# Altium PCB FPGA_POETIC.PcbDoc (part 3 of 3)
Units mm, origin at the board's own origin, x right, y up, seen from the top; angles counter-clockwise.
Board outline 160 x 100 mm, 6 copper layers (Top Layer, GND, Internal SIG1, Internal SIG2, Power, Bottom Layer), stack 0.816 mm thick; 193 components, 248 nets, 1352 pads, 523 vias.
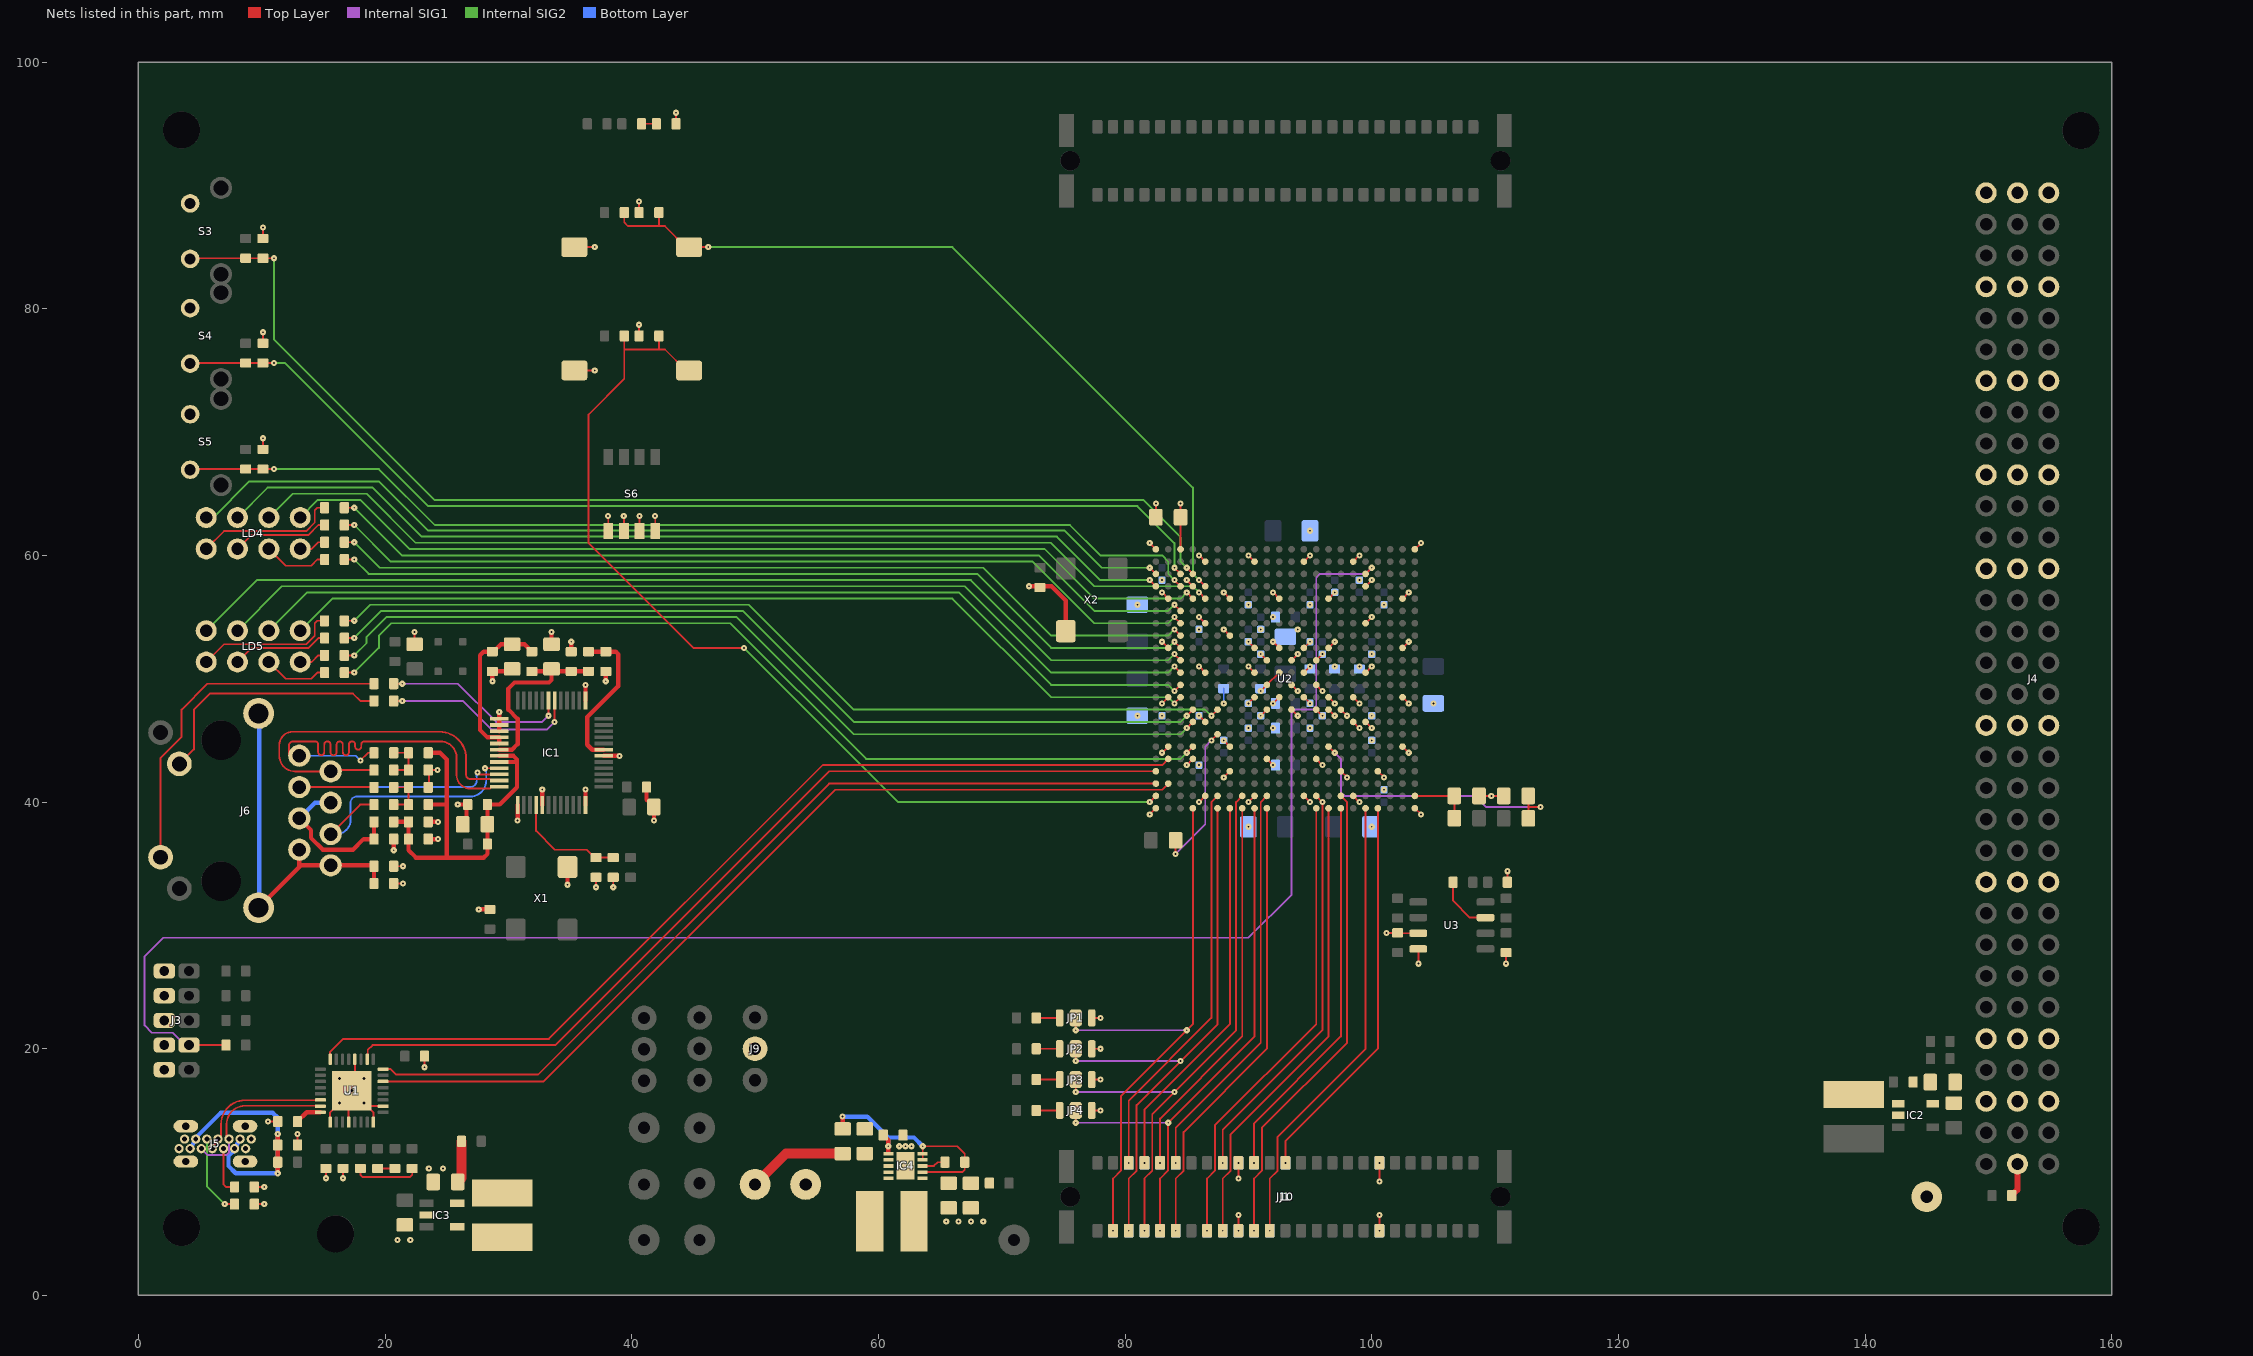
[diagram p7: the nets of this part, all layers, seen from the top]

## Via types
v1: diameter 0.5, hole 0.15, Top Layer to Bottom Layer, tented both sides, 518 vias
v2: diameter 0.6, hole 0.25, Top Layer to Bottom Layer, 5 vias

## Nets (pads, with @x,y where several pads share a name; then routed paths per layer and width w, separated by ;. In a path a pad name is that pad's centre, name@x,y a point inside that pad or via, vN(x,y) a via of type N, cw(c..) or ccw(c..) an arc to the next point about the centre after c; other vN are vias at no path point) (continued)
FPGA_JTAG_TMS: J3.3 R4.1 U2.C18 | length 140.4
  Top Layer w0.15: J3.3@4.5,20.3 R4.1@7.1,20.3 ; U2.C18@99.5,58.5 v1(100,59)
  Internal SIG1 w0.15: J3.3@4.1,20.3 3.8,20.3 2.8,21.3 1.1,21.3 0.5,21.9 0.5,27.5 2,29 90,29 93.5,32.5 93.5,47.2 93.8,47.5 95.2,47.5 95.5,47.8 95.5,58.2 95.8,58.5 99.5,58.5 v1(100,59)
GND_+24V_BP: C32.1 J4.B32 | length 2.8
  Top Layer w0.5: C32.1@151.9,8.1 152.36,8.56 J4.B32@152.36,10.66
GND_D: C1.1 C2.1 C3.1 C4.1 C5.1 C6.1 C7.1 C8.2 C9.1 C10.1 C11.1 C12.1 C13.1 C14.1 C15.1 C16.1 C17.1 C18.1 C19.1 C20.1 C21.1 C22.1 C23.1 C24.1 C25.2 C26.1 C27.1 C28.1 C29.1 C30.1 C31.1 C33.1 C34.1 C35.2 C36.2 C37.2 C38.2 C39.2 C40.2 C41.2 C42.2 C43.2 C44.2 C45.2 C46.2 C47.2 C48.2 C49.2 C50.2 C51.2 C52.2 C53.2 C54.2 C55.2 C56.2 C57.2 C58.2 C59.2 C60.2 C61.2 C62.2 C63.2 C64.2 C65.2 C66.2 C67.2 C68.2 C69.2 C70.2 C71.2 C72.2 C73.2 C74.2 C75.2 C76.2 C77.1 C78.1 C79.1 C80.1 C81.1 IC1.1 IC1.2 IC1.3 IC1.13 IC1.17 IC1.24 IC1.30 IC1.37 IC2.2 IC3.2 IC4.4 IC4.5 IC4.11 J1.a10 J1.a19 J1.b10 J1.b19 J3.2 J3.4 J3.6 J3.8 J3.10 J4.A1 J4.A4 J4.A7 J4.A10 J4.A13 J4.A18 J4.A23 J4.A28 J4.A30 J4.B1 J4.B4 J4.B7 J4.B10 J4.B13 J4.B18 J4.B23 J4.B28 J4.B30 J4.C1 J4.C4 J4.C7 J4.C10 J4.C13 J4.C18 J4.C23 J4.C28 J4.C30 J5.A1 J5.A12 J5.B1 J5.B12 J5.S1 J5.S2 J5.S3 J5.S4 J10.a10 J10.a19 J10.b10 J10.b19 JP1.1 JP2.1 JP3.1 JP4.1 R19.1 R23.2 R27.1 R28.1 R37.1 R38.1 R56.1 R58.2 R59.2 S1.1 S2.1 S3.1 S4.1 S5.1 S6.1 S6.3 S6.5 S6.7 TP9.1 TP10.1 U1.4 U1.17 U1.20 U1.24 U1.26 U1.33 U2.A1 U2.A22 U2.AA5 U2.AA9 U2.AA13 U2.AA17 U2.AB1 U2.AB22 U2.B5 U2.B9 U2.B13 U2.B17 U2.D4 U2.D18 U2.E2 U2.E7 U2.E11 U2.E15 U2.E21 U2.G5 U2.G18 U2.H7 U2.J2 U2.J9 U2.J11 U2.J13 U2.J15 U2.J21 U2.K10 U2.K12 U2.K14 U2.L5 U2.L9 U2.L11 U2.L13 U2.L18 U2.M10 U2.M12 U2.M14 U2.N2 U2.N9 U2.N11 U2.N13 U2.N15 U2.N17 U2.N21 U2.P10 U2.P12 U2.P14 U2.P15 U2.P16 U2.R5 U2.R17 U2.R18 U2.U2 U2.U7 U2.U21 U2.V4 U2.V10 U2.V14 U2.W7 U2.W16 U2.W19 U3.4 X1.2 X2.2 | length 129.1
  Top Layer w0.15: R58.2@9.4,7.4 v1(10.2,7.4) ; R59.2@9.4,8.8 v1(10.2,8.8) ; C30.1@10.1,68.6 v1(10.1,69.5) ; C29.1@10.1,77.2 v1(10.1,78.1) ; C31.1@10.1,85.7 v1(10.1,86.6) ; v1(10.5,14.1) C2.1@11.3,14.1 ; C1.1@12.9,12.2 v1(12.9,13.1) ; v1(15.2,9.5) C79.1@15.2,10.3 ; U1.17@15.55,14.05 15.55,14.85 U1.33@17.05,16.35 ; v1(16.6,9.5) C80.1@16.6,10.3 ; U1.20@17.05,14.05 U1.33@17.05,16.35 ; U1.4@17.55,19.15 17.55,16.85 v2(17.3,16.6) ; U1.24@19.05,14.05 19.05,14.85 U1.33@18.55,15.35 ; U1.26@19.85,15.35 U1.33@18.55,15.35 ; C9.1@20.72,33.4 v1(21.45,33.4) ; R23.2@20.72,34.8 v1(21.45,34.8) ; C4.1@22.4,52.8 v1(22.4,53.8) ; v1(23.2,18.5) C81.1@23.2,19.4 ; C6.1@23.5,41.2 23.55,41.2 23.57,41.22 23.57,42.57 C5.1@23.6,42.6 ; C5.1@23.52,42.6 C5.1@23.6,42.6 ; v1(24.25,42.6) C5.1@23.6,42.6 ; S1.1@35.35,75 v1(37,75) ; S2.1@35.35,85 v1(37,85) ; v1(37.1,33.1) R19.1@37.1,33.9 ; S6.1@38.095,62 v1@38.095,63.2 ; v1(38.5,33.1) C7.1@38.5,33.9 ; S6.3@39.365,62 v1@39.365,63.2 ; C33.1@40.6,77.8 v1(40.6,78.7) ; C34.1@40.6,87.8 v1(40.6,88.7) ; S6.5@40.635,62 v1@40.635,63.2 ; S6.7@41.905,62 v1@41.905,63.2 ; R37.1@43.6,95 v1(43.6,95.9) ; JP4.1@77.3,15 v1(78,15) ; JP3.1@77.3,17.5 v1(78,17.5) ; JP2.1@77.3,20 v1(78,20) ; JP1.1@77.3,22.5 v1(78,22.5) ; v1(82,39) U2.AB1@82.5,39.5 ; v1(82,61) U2.A1@82.5,60.5 ; R27.1@82.5,63.1 v1(82.5,64.2) ; v1(83,44) U2.U2@83.5,44.5 ; v1(83,48) U2.N2@83.5,48.5 ; v1(83,53) U2.J2@83.5,52.5 ; v1(83,57) U2.E2@83.5,56.5 ; v1(85,43) U2.V4@85.5,43.5 ; v1(85,58) U2.D4@85.5,57.5 ; v1(86,40) U2.AA5@86.5,40.5 ; v1(86,47) U2.R5@86.5,46.5 ; v1(86,51) U2.L5@86.5,50.5 ; v1(86,55) U2.G5@86.5,54.5 ; v1(86,60) U2.B5@86.5,59.5 ; v1(88,42) U2.W7@88.5,42.5 ; v1(88,45) U2.U7@88.5,44.5 ; v1(88,54) U2.H7@88.5,53.5 ; v1(88,57) U2.E7@88.5,56.5 ; v1(89.19,5.25) v1(89.19,6.52) ; v1(89.19,9.48) v1(89.19,10.75) ; v1(90,40) U2.AA9@90.5,40.5 ; v1(90,48) U2.N9@90.5,48.5 ; v1(90,51) U2.L9@90.5,50.5 ; v1(90,53) U2.J9@90.5,52.5 ; v1(90,60) U2.B9@90.5,59.5 ; v1(91,47) U2.P10@91.5,47.5 ; v1(91,49) U2.M10@91.5,49.5 U2.L11@92.5,50.5 ; v1(91,52) U2.K10@91.5,51.5 ; U2.V10@91.5,43.5 v1(92,43) ; v1(92,48) U2.N11@92.5,48.5 ; v1(92,57) U2.E11@92.5,56.5 ; U2.J11@92.45,52.55 v1(92,53) U2.J11@92.5,52.5 ; U2.P12@93.5,47.5 v1(94,47) ; U2.M12@93.5,49.5 v1(94,49) ; U2.K12@93.5,51.5 v1(94,52) ; U2.AA13@94.5,40.5 v1(95,40) ; U2.N13@94.5,48.5 v1(95,48) ; U2.L13@94.5,50.5 v1(95,51) ; U2.J13@94.5,52.5 v1(95,53) ; U2.B13@94.5,59.5 v1(95,60) ; U2.V14@95.5,43.5 v1(96,43) ; U2.P14@95.5,47.5 v1(96,47) ; U2.M14@95.5,49.5 v1(96,49) ; U2.K14@95.5,51.5 v1(96,52) ; U2.P15@96.5,47.5 v1(97,47) ; U2.N15@96.5,48.5 v1(97,48) ; U2.J15@96.5,52.5 v1(97,53) ; U2.E15@96.5,56.5 v1(97,57) ; U2.W16@97.5,42.5 v1(98,42) ; U2.P16@97.5,47.5 v1(98,47) ; U2.AA17@98.5,40.5 v1(99,40) ; U2.R17@98.5,46.5 v1(99,46) ; U2.N17@98.5,48.5 v1(99,48) ; U2.B17@98.5,59.5 v1(99,60) ; U2.R18@99.5,46.5 v1(100,46) ; U2.L18@99.5,50.5 v1(100,51) ; U2.G18@99.5,54.5 v1(100,55) ; U2.D18@99.5,57.5 v1(100,58) ; U2.W19@100.5,42.5 v1(101,42) ; v1(100.62,5.25) v1(100.62,6.52) ; v1(100.62,9.23) J1.b19@100.62,10.5 ; U2.U21@102.5,44.5 v1(103,44) ; U2.N21@102.5,48.5 v1(103,48) ; U2.J21@102.5,52.5 v1(103,53) ; U2.E21@102.5,56.5 v1(103,57) ; U2.AB22@103.5,39.5 v1(104,39) ; U2.A22@103.5,60.5 v1(104,61) ; U3.4@103.775,28.095 103.8,28.07 v1(103.8,26.9) ; R56.1@108.7,40.5 v1(109.7,40.5) R28.1@110.7,40.5 ; v1(110.9,26.9) R38.1@110.9,27.8 ; C78.1@111,33.5 v1(111,34.4) ; U1.33@17.05,16.35 v2(17.3,16.6) ; v2(17.3,16.6) U1.33@18.55,15.35
  Top Layer w0.35: v1(20.7,36.1) C8.2@20.7,37 ; C17.1@23.5,37 v1(24.3,37) ; C16.1@23.5,38.4 v1(24.3,38.4) ; v1(25.9,39.8) C15.1@26.7,39.8 26.6,39.7 26.6,38.2 C14.1@26.3,38.2 ; v1(27.6,31.3) C3.1@28.5,31.3 ; v1(28.7,49.8) C11.1@28.7,50.6 30.4,50.6 C10.1@30.4,50.8 ; IC1.3@29.262,45.75 IC1.2@29.262,46.25 IC1.1@29.262,46.75 v1(29.262,47.3) ; v1(30.75,38.5) IC1.13@30.75,39.762 ; IC1.17@32.75,39.762 v1(32.75,41.024) ; C18.1@33.5,52.8 v1(33.5,53.8) ; v1(34.8,33.3) X1.2@34.8,34.74 ; C19.1@35.1,52.2 v1(35.1,53) ; IC1.24@36.25,39.762 v1(36.25,41.024) ; IC1.37@36.25,48.238 v1(36.25,49.5) ; IC1.30@37.738,43.75 v1(39,43.75) ; v1(37.9,49.8) C20.1@37.9,50.6 ; C13.1@41.2,41.22 41.2,40.2 C12.1@41.8,39.6 v1(41.8,38.5) ; v1(72.2,57.5) 74.04,57.5 75.2,56.34 X2.2@75.2,53.86
  Bottom Layer w0.15: v1(88,48) C72.2@88,49.2
  other v1: 21,4.5 22.05,4.5 65.5,6 66.5,6 67.5,6 68.5,6 23.55,10.3 24.7,10.3 100.62,10.75 61.697,12.1 62.197,12.1 62.697,12.1 90,38 100,38 101,41 86,43 100,45 90,46 92,46 95,46 81,47 83,47 100,47 105,48 97,51 99,51 100,52 86,54 91,54 94,54 92,55 81,56 90,56 95,56 101,56 83,58 99,58 95,62 38.09,63.2 39.36,63.2 40.63,63.2 41.9,63.2
  other v2: 16.3,15.6 18.3,15.6 16.3,17.6 18.3,17.6
GND_ETH: C9.2 J6.7 J6.8 J6.13 J6.14 R23.1 | length 29.5
  Top Layer w0.35: J6.13@9.748,31.441 13.05,34.743 ; J6.7@13.05,36.14 13.05,34.743 ; C9.2@19.1,33.4 R23.1@19.1,34.8 19.03,34.87 J6.8@15.59,34.87 13.177,34.87 13.05,34.743
  Bottom Layer w0.35: J6.13@9.748,31.441 9.759,31.441 9.8,31.4 9.8,47.137 J6.14@9.748,47.189
HARDRESET_N: C33.2 R34.1 S1.2 U2.AA1 | length 80
  Top Layer w0.15: R34.1@39.4,77.8 39.4,76.7 ; C33.2@42.2,77.8 42.2,76.7 ; S1.2@44.65,75 44.4,75 42.7,76.7 42.2,76.7 ; v1(49.1,52.5) 45,52.5 36.5,61 36.5,71.43 39.4,74.33 39.4,76.7 ; v1(82,40) U2.AA1@82.5,40.5 ; 39.4,76.7 42.2,76.7
  Internal SIG2 w0.15: v1(49.1,52.5) 61.6,40 v1(82,40)
HSWAPEN: R27.2 U2.A3 | length 3.5
  Top Layer w0.15: U2.A3@84.5,60.5 R27.2@84.5,62.9 ; R27.2@84.5,63.1 v1(84.5,64.2)
LED1_0_GREEN: R41.1 U2.H3 | length 71.3
  Top Layer w0.15: R41.1@16.7,61.07 v1(17.5,61.07) ; v1(84,54) U2.H3@84.5,53.5
  Internal SIG2 w0.15: v1(17.5,61.07) 19.57,59 68.5,59 74,53.5 83.5,53.5 v1(84,54)
LED1_0_RED: LD4.8 U2.E4 | length 76.7
  Top Layer w0.15: v1(85,57) U2.E4@85.5,56.5
  Internal SIG2 w0.15: LD4.8@13.12,63.07 14.55,64.5 18,64.5 21.97,60.53 73.47,60.53 77.5,56.5 84.5,56.5 v1(85,57)
LED1_1_GREEN: R43.1 U2.J3 | length 71.2
  Top Layer w0.15: R43.1@16.7,59.67 v1(17.5,59.67) ; v1(84,53) U2.J3@84.5,52.5
  Internal SIG2 w0.15: v1(17.5,59.67) 18.67,58.5 68,58.5 74,52.5 83.5,52.5 v1(84,53)
LED1_1_RED: LD4.6 U2.E5 | length 80.2
  Top Layer w0.15: v1(86,57) U2.E5@86.5,56.5
  Internal SIG2 w0.15: LD4.6@10.58,63.07 12.51,65 18.5,65 22.47,61.03 73.97,61.03 77.5,57.5 85.5,57.5 v1(86,57)
LED1_2_GREEN: R45.1 U2.G3 | length 71.5
  Top Layer w0.15: R45.1@16.7,62.47 v1(17.5,62.47) ; v1(84,55) U2.G3@84.5,54.5
  Internal SIG2 w0.15: v1(17.5,62.47) 20.47,59.5 72.5,59.5 77.5,54.5 83.5,54.5 v1(84,55)
LED1_2_RED: LD4.4 U2.D1 | length 78.8
  Top Layer w0.15: v1(82,58) U2.D1@82.5,57.5
  Internal SIG2 w0.15: LD4.4@8.04,63.07 10.47,65.5 19,65.5 22.97,61.53 74.47,61.53 78,58 v1(82,58)
LED1_3_GREEN: R47.1 U2.F3 | length 71.9
  Top Layer w0.15: R47.1@16.7,63.87 v1(17.5,63.87) ; v1(84,56) U2.F3@84.5,55.5
  Internal SIG2 w0.15: v1@17.6,63.97 17.5,63.97 v1(17.5,63.87) 21.37,60 73,60 77.5,55.5 83.5,55.5 v1(84,56)
LED1_3_RED: LD4.2 U2.C1 | length 81.3
  Top Layer w0.15: v1(82,59) U2.C1@82.5,58.5
  Internal SIG2 w0.15: LD4.2@5.5,63.07 6.07,63.07 9,66 19.5,66 23.47,62.03 75.07,62.03 78.1,59 v1(82,59)
LED2_0_GREEN: R42.1 U2.R4 | length 74.6
  Top Layer w0.15: R42.1@16.7,51.9 v1(17.5,51.9) ; v1(85,46) U2.R4@85.5,46.5
  Internal SIG2 w0.15: v1@17.6,52 18.5,52.9 18.5,53.4 20.1,55 48.5,55 58,45.5 84.5,45.5 v1(85,46)
LED2_0_RED: LD5.8 U2.N3 | length 76.2
  Top Layer w0.15: v1(84,48) U2.N3@84.5,48.5
  Internal SIG2 w0.15: LD5.8@13.12,53.9 15.72,56.5 66,56.5 74,48.5 83.5,48.5 v1(84,48)
LED2_1_GREEN: R44.1 U2.U4 | length 75.9
  Top Layer w0.15: R44.1@16.7,50.5 v1(17.5,50.5) ; v1(85,44) U2.U4@85.5,44.5
  Internal SIG2 w0.15: v1@17.6,50.6 19.5,52.5 19.5,53.5 20.5,54.5 48,54.5 59,43.5 84.5,43.5 v1(85,44)
LED2_1_RED: LD5.6 U2.M3 | length 78.7
  Top Layer w0.15: v1(84,49) U2.M3@84.5,49.5
  Internal SIG2 w0.15: LD5.6@10.58,53.9 13.68,57 66.5,57 74,49.5 83.5,49.5 v1(84,49)
LED2_2_GREEN: R46.1 U2.P4 | length 73.7
  Top Layer w0.15: R46.1@16.7,53.3 v1(17.5,53.3) ; v1(85,47) U2.P4@85.5,47.5
  Internal SIG2 w0.15: v1@17.6,53.4 19.7,55.5 49,55.5 58,46.5 84.5,46.5 v1(85,47)
LED2_2_RED: LD5.4 U2.L3 | length 81.3
  Top Layer w0.15: v1(84,51) U2.L3@84.5,50.5
  Internal SIG2 w0.15: LD5.4@8.04,53.9 11.64,57.5 67,57.5 74,50.5 83.5,50.5 v1(84,51)
LED2_3_GREEN: R48.1 U2.P6 | length 75.3
  Top Layer w0.15: R48.1@16.7,54.7 v1(17.5,54.7) ; v1(87,47) U2.P6@87.5,47.5
  Internal SIG2 w0.15: v1(17.5,54.7) 17.5,54.8 17.6,54.8 18.8,56 49.5,56 58,47.5 86.5,47.5 v1(87,47)
LED2_3_RED: LD5.2 U2.K3 | length 83.8
  Top Layer w0.15: v1(84,52) U2.K3@84.5,51.5
  Internal SIG2 w0.15: LD5.2@5.5,53.9 9.6,58 67.5,58 74,51.5 83.5,51.5 v1(84,52)
NetC1_2: C1.2 J5.A4 J5.A9 J5.B4 J5.B9 R7.1 | length 23.4
  Top Layer w0.35: v1(11.3,9.9) R7.1@11.3,10.8 C1.2@11.3,12.2 v1(11.3,13.1)
  Bottom Layer w0.15: J5.B9@4.2,11.9 J5.B9@4.3,11.8 ; J5.A4@4.55,12.68 J5.A4@4.65,12.68
  Bottom Layer w0.35: J5.B9@4.2,11.9 J5.A4@4.65,12.68 ; J5.A4@4.55,12.68 6.67,14.8 10.9,14.8 11.3,14.4 v1(11.3,13.1) v1(11.3,9.9) 7.9,9.9 7.3,10.5 7.3,11.3 J5.B4@7.85,11.85 ; J5.B4@7.8,11.9 J5.A9@8.25,12.68
NetC2_2: C2.2 U1.16 | length 2.2
  Top Layer w0.35: C2.2@12.9,14.1 13.65,14.85 U1.16@14.75,14.85
NetC5_2: C5.2 R11.1 R15.2 R16.2 | length 3.8
  Top Layer w0.15: R16.2@20.7,42.6 C5.2@21.9,42.6 R11.1@21.9,44 20.76,44 R15.2@20.7,44
NetC6_2: C6.2 R12.1 R17.2 R18.2 | length 3.8
  Top Layer w0.15: R18.2@20.7,39.8 R12.1@21.9,39.8 C6.2@21.9,41.2 R17.2@20.7,41.2
NetC7_2: C7.2 IC1.16 R19.2 | length 9.2
  Top Layer w0.15: IC1.16@32.25,39.762 32.25,37.662 33.772,36.14 36.36,36.14 37,35.5 R19.2@37.1,35.5 C7.2@38.5,35.5
NetC8_1: C8.1 J6.4 J6.5 R14.1 | length 12.3
  Top Layer w0.35: J6.5@13.05,38.68 14,37.73 14,37.1 14.96,36.14 17.4,36.14 18.26,37 C8.1@19.1,37 R14.1@19.1,38.4
  Bottom Layer w0.35: J6.5@13.05,38.68 14.32,39.95 J6.4@15.59,39.95
NetC22_2: C22.2 IC2.5 R61.1
NetC24_2: C24.2 IC3.5 L2.2 R63.1 | length 3.4
  Top Layer w0.8: C24.2@25.9,9.2 26.2,9.5 R63.1@26.2,12.5
NetC25_1: C25.1 IC4.1 IC4.7 IC4.9 IC4.10 R39.1 R40.2 | length 20.3
  Top Layer w0.15: R39.1@57.1,13.5 R39.1@57.1,13.54 ; v1(60.8,12.1) v1@60.803,12.1 ; IC4.7@63.597,9.992 63.597,10 66.8,10 67,10.2 R40.2@67,10.8 67,11.5 66.409,12.091 63.6,12.091 IC4.10@63.6,11.481 ; IC4.9@63.597,11.008 IC4.10@63.597,11.491
  Top Layer w0.35: R39.1@57.1,13.54 v1(57.1,14.5) ; C25.1@60.4,13 60.803,12.597 60.803,12.1 IC4.1@60.803,11.6
  Bottom Layer w0.35: v1(57.1,14.5) 59.1,14.5 60.8,12.8 ; v1(60.8,12.1) 60.8,12.8 ; v1(63.597,12.091) 63.6,12.094 62.894,12.8 60.8,12.8
NetC26_2: C26.2 IC4.2 J9.2 R39.2 TP4.1 | length 8.1
  Top Layer w0.8: TP4.1@50,9 52.5,11.5 R39.2@57.1,11.5
NetC27_2: C27.2 C28.2 IC4.6 L3.2 R62.1
NetIC2_1: IC2.1 L1.2
NetIC3_4: IC3.4 L2.1
NetIC4_3: IC4.3 L3.1
NetIC4_8: IC4.8 R40.1 | length 1.9
  Top Layer w0.15: IC4.8@63.597,10.5 63.7,10.5 64.5,10.5 64.8,10.8 R40.1@65.4,10.8
NetJ5_A5: J5.A5 R58.1 | length 6.7
  Top Layer w0.15: v1(7,7.4) R58.1@7.8,7.4
  Internal SIG2 w0.15: J5.A5@5.55,12.68 5.55,8.85 v1(7,7.4)
NetJ5_B5: J5.B5 R59.1 | length 3.9
  Top Layer w0.15: J5.B5@6.9,11.9 6.9,9 7.1,8.8 R59.1@7.8,8.8
NetJ6_10: J6.10 R20.2 | length 20.3
  Top Layer w0.15: J6.10@3.322,43.1 4.5,44.278 4.5,47.5 5.8,48.8 17.4,48.8 18,48.2 R20.2@19.1,48.2
NetJ6_11: J6.11 R21.2 | length 29.1
  Top Layer w0.15: J6.11@1.798,35.53 1.798,43.598 3.5,45.3 3.5,47.5 5.6,49.6 R21.2@19.1,49.6
NetJP1_3: JP1.3 R52.1 | length 1.9
  Top Layer w0.15: R52.1@72.8,22.5 JP1.3@74.7,22.5
NetJP2_3: JP2.3 R53.1 | length 1.9
  Top Layer w0.15: R53.1@72.8,20 JP2.3@74.7,20
NetJP3_3: JP3.3 R54.1 | length 1.9
  Top Layer w0.15: R54.1@72.8,17.5 JP3.3@74.7,17.5
NetJP4_3: JP4.3 R55.1 | length 1.9
  Top Layer w0.15: R55.1@72.8,15 JP4.3@74.7,15
NetLD1_2: LD1.2 R5.1 | length 1.4
  Top Layer w0.15: LD1.2@19.4,10.3 R5.1@20.8,10.3
NetLD2_2: LD2.2 R6.1 | length 5.4
  Top Layer w0.15: LD2.2@18,10.3 18,9.8 18.2,9.6 22,9.6 22.2,9.8 R6.1@22.2,10.3
NetLD3_1: LD3.1 R37.2 | length 1.2
  Top Layer w0.15: LD3.1@40.8,95 R37.2@42,95
NetLD4_1: LD4.1 R47.2 | length 11.6
  Top Layer w0.15: LD4.1@5.5,60.53 6.94,61.97 13.6,61.97 14.3,62.67 14.3,63.67 14.5,63.87 R47.2@15.1,63.87
NetLD4_3: LD4.3 R45.2 | length 7.9
  Top Layer w0.15: LD4.3@8.04,60.53 9.18,61.67 13.8,61.67 14.6,62.47 R45.2@15.1,62.47
NetLD4_5: LD4.5 R43.2 | length 5.3
  Top Layer w0.15: LD4.5@10.58,60.53 11.94,59.17 14,59.17 14.5,59.67 R43.2@15.1,59.67
NetLD4_7: LD4.7 R41.2 | length 2.2
  Top Layer w0.15: LD4.7@13.12,60.53 14.06,60.53 14.6,61.07 R41.2@15.1,61.07
NetLD5_1: LD5.1 R48.2 | length 11.6
  Top Layer w0.15: LD5.1@5.5,51.36 6.94,52.8 13.6,52.8 14.3,53.5 14.3,54.5 14.5,54.7 R48.2@15.1,54.7
NetLD5_3: LD5.3 R46.2 | length 7.9
  Top Layer w0.15: LD5.3@8.04,51.36 9.18,52.5 13.8,52.5 14.6,53.3 R46.2@15.1,53.3
NetLD5_5: LD5.5 R44.2 | length 5.3
  Top Layer w0.15: LD5.5@10.58,51.36 11.94,50 14,50 14.5,50.5 R44.2@15.1,50.5
NetLD5_7: LD5.7 R42.2 | length 2.2
  Top Layer w0.15: LD5.7@13.12,51.36 14.06,51.36 14.6,51.9 R42.2@15.1,51.9
NetR26_1: R26.1 R56.2 U2.AA22 | length 5
  Top Layer w0.15: U2.AA22@103.5,40.5 R56.2@106.7,40.5 R26.1@106.7,38.68
NetR28_2: R28.2 R57.1 U2.U15 | length 23.6
  Top Layer w0.15: U2.U15@96.5,44.5 v1(97,44) ; R57.1@112.7,38.68 112.7,39.6 ; R28.2@112.7,40.5 112.7,39.6 ; v1(113.7,39.6) 112.7,39.6
  Internal SIG1 w0.15: v1(97,44) 97.5,43.5 97.5,40.8 97.8,40.5 108.4,40.5 109.3,39.6 v1(113.7,39.6)
NetR29_1: R29.1 U2.T6 | length 12.2
  Top Layer w0.15: v1(84.1,35.8) R29.1@84.1,36.9 ; v1(87,45) U2.T6@87.5,45.5
  Internal SIG1 w0.15: v1(84.1,35.8) 86.5,38.2 86.5,44.5 v1(87,45)
NetR30_1: R30.1 U3.3 | length 2.7
  Top Layer w0.15: v1(101.2,29.4) R30.1@102.1,29.4 102.1,29.3 102.165,29.365 U3.3@103.775,29.365
NetR32_1: R32.1 U3.7 | length 4.7
  Top Layer w0.15: R32.1@106.6,33.5 106.6,32 107.965,30.635 U3.7@109.225,30.635
nLNKA_LED: IC1.42 R20.1 | length 16
  Top Layer w0.15: R20.1@20.7,48.2 v1(21.4,48.2) ; v1(33.75,46.5) IC1.42@33.75,48.238
  Internal SIG1 w0.15: v1(21.4,48.2) 26.3,48.2 28.6,45.9 33.15,45.9 v1(33.75,46.5)
nSPD_LED: IC1.43 R21.1 | length 15.3
  Top Layer w0.15: R21.1@20.7,49.6 v1(21.4,49.6) ; v1(33.25,47) IC1.43@33.25,48.238
  Internal SIG1 w0.15: v1(21.4,49.6) 25.9,49.6 29,46.5 32.75,46.5 v1(33.25,47)
Push_BT_0: C31.2 R51.1 S3.2 U2.C4 | length 97.1
  Top Layer w0.15: S3.2@4.2,84.05 4.15,84.05 4.1,84.1 R51.1@8.7,84.1 C31.2@10.1,84.1 v1(11,84.1) ; v1(85,59) U2.C4@85.5,58.5
  Internal SIG2 w0.15: v1(11,84.1) 11,77.5 24,64.5 81.47,64.5 84.5,61.47 84.5,59.5 v1(85,59)
Push_BT_1: C29.2 R49.1 S4.2 U2.C3 | length 88.7
  Top Layer w0.15: S4.2@4.1,75.6 R49.1@8.7,75.6 C29.2@10.1,75.6 v1(11,75.6) ; v1(84,59) U2.C3@84.5,58.5
  Internal SIG2 w0.15: v1(11,75.6) 11.9,75.6 23.5,64 81,64 84,61 v1(84,59)
Push_BT_2: C30.2 R50.1 S5.2 U2.D3 | length 84.9
  Top Layer w0.15: S5.2@4.1,67 R50.1@8.7,67 C30.2@10.1,67 v1(11,67) ; v1(84,58) U2.D3@84.5,57.5
  Internal SIG2 w0.15: v1(11,67) 19.5,67 24.03,62.47 75.53,62.47 78,60 83,60 83.5,59.5 83.5,58.5 v1(84,58)
RX_N: IC1.9 J6.6 R18.1 | length 22.3
  Top Layer w0.15: J6.6@15.59,37.41 17.98,39.8 R18.1@19.1,39.8 ; v1(28.1,42.75) IC1.9@29.262,42.75
  Bottom Layer w0.15: J6.6@15.59,37.41 16.065,37.41 ccw(c16.065,38.545) 17.2,38.545 17.2,39.95 cw(c17.7,39.95) 17.7,40.45 26.9,40.45 ccw(c26.9,41.75) 28.2,41.75 v1@28.2,42.65
RX_P: IC1.10 J6.3 R17.1 | length 23.3
  Top Layer w0.15: J6.3@13.05,41.22 19.08,41.22 cw(c19.08,41.2) R17.1@19.1,41.2 ; v1(27.5,42.4) ccw(c27.65,42.4) 27.65,42.25 IC1.10@29.262,42.25
  Bottom Layer w0.15: J6.3@13.05,41.22 26.9,41.22 ccw(c26.9,41.75) 27.43,41.75 27.421,42.318 v1(27.5,42.4)
SCIC_RX: J1.a12 J10.a12 U2.AB18 | length 37.5
  Top Layer w0.15: v1(91.73,5.25) 91.73,9.48 92.365,10.115 92.365,12.865 99.5,20 U2.AB18@99.5,39.5
SCIC_TX: J1.a11 J10.a11 U2.AA16 | length 38.6
  Top Layer w0.15: v1(90.46,5.25) 90.46,9.48 91.095,10.115 91.095,13.595 98,20.5 98,40 U2.AA16@97.5,40.5
SOFTRESET_N: C34.2 R36.1 S2.2 U2.D5 | length 65.1
  Top Layer w0.15: R36.1@39.4,87.8 39.4,87 39.7,86.7 42.2,86.7 ; C34.2@42.2,87.8 42.2,86.7 ; S2.2@44.4,85 42.7,86.7 42.2,86.7 ; S2.2@44.65,85 v1(46.2,85) ; v1(86,58) U2.D5@86.5,57.5
  Internal SIG2 w0.15: v1(46.2,85) 66,85 85.5,65.5 85.5,58.5 v1(86,58)
Spare_0: J1.a2 J10.a2 JP1.2 U2.AB4 | length 46.9
  Top Layer w0.15: v1(76,21.5) JP1.2@76,22.5 ; v1(79.03,5.25) 79.03,9.48 79.665,10.115 79.665,16.165 v1(85,21.5) 85.5,22 U2.AB4@85.5,39.5
  Internal SIG1 w0.15: v1(76,21.5) v1(85,21.5)
Spare_1: J1.a3 J10.a3 JP2.2 U2.AB6 | length 46.7
  Top Layer w0.15: v1(76,19) JP2.2@76,20 ; v1(80.3,5.25) 80.3,9.48 80.935,10.115 80.935,15.435 v1(84.5,19) 87.5,22 U2.AB6@87.5,39.5
  Internal SIG1 w0.15: v1(76,19) v1(84.5,19)
Spare_2: J1.a4 J10.a4 JP3.2 U2.AA8 | length 47.5
  Top Layer w0.15: v1(76,16.5) JP3.2@76,17.5 ; v1(81.57,5.25) 81.57,9.48 82.205,10.115 82.205,14.705 89,21.5 89,40 U2.AA8@89.5,40.5
  Internal SIG1 w0.15: v1(76,16.5) v1(84,16.5)
Spare_3: J1.a5 J10.a5 JP4.2 U2.AB9 | length 45.9
  Top Layer w0.15: v1(76,14) JP4.2@76,15 ; v1(82.84,5.25) 82.84,9.48 83.475,10.115 83.475,13.975 v1(83.5,14) 90.5,21 U2.AB9@90.5,39.5
  Internal SIG1 w0.15: v1(76,14) v1(83.5,14)
Spare_4: J1.a6 J10.a6 U2.AB10 | length 37.3
  Top Layer w0.15: v1(84.11,5.25) 84.11,9.48 84.745,10.115 84.745,13.245 91.5,20 U2.AB10@91.5,39.5
Spare_5: J1.a8 J10.a8 U2.AB14 | length 37.9
  Top Layer w0.15: v1(86.65,5.25) 86.65,9.48 87.285,10.115 87.285,13.785 95.5,22 U2.AB14@95.5,39.5
Spare_6: J1.a9 J10.a9 U2.AB15 | length 37.8
  Top Layer w0.15: v1(87.92,5.25) 87.92,9.48 88.555,10.115 88.555,13.055 96.5,21 U2.AB15@96.5,39.5
SPIA_CLK: J1.b13 J10.b13 U2.AB19 | length 31.9
  Top Layer w0.15: v1(93,10.75) 93,12.5 100.5,20 U2.AB19@100.5,39.5
SPIA_SIMO: J1.b11 J10.b11 U2.AB16 | length 31.7
  Top Layer w0.15: v1(90.46,10.75) 90.46,13.96 97.5,21 U2.AB16@97.5,39.5
SPIB_CLK: J1.b6 J10.b6 U2.AA10 | length 32.8
  Top Layer w0.15: v1(84.11,10.75) 84.11,13.61 91,20.5 91,40 U2.AA10@91.5,40.5
SPIB_SIMO: J1.b9 J10.b9 U2.AA14 | length 33.3
  Top Layer w0.15: v1(87.92,10.75) 87.92,13.421 96,21.501 v1(96,40) U2.AA14@95.5,40.5
SPIC_CLK: J1.b3 J10.b3 U2.AA6 | length 32.7
  Top Layer w0.15: v1(80.3,10.75) 80.3,15.8 87,22.5 87,40 U2.AA6@87.5,40.5
SPIC_SIMO: J1.b4 J10.b4 U2.AB7 | length 31.6
  Top Layer w0.15: v1(81.57,10.75) 81.57,15.07 88.5,22 U2.AB7@88.5,39.5
SPIC_SOMI: J1.b5 J10.b5 U2.AB8 | length 31.5
  Top Layer w0.15: v1(82.84,10.75) 82.84,14.34 89.5,21 U2.AB8@89.5,39.5
TX_N: IC1.11 J6.2 R16.1 | length 30.9
  Top Layer w0.15: R16.1@19.1,42.6 15.7,42.6 ccw(c15.7,42.49) J6.2@15.59,42.49 12.695,42.49 cw(c12.695,43.76) 11.425,43.76 11.425,44.615 cw(c12.51,44.615) 12.51,45.7 24.425,45.7 cw(c24.425,43.55) 26.575,43.55 26.575,42.2 ccw(c26.9,42.2) 26.9,41.875 28.025,41.875 ; 27.675,41.875 28.025,41.875 ; IC1.11@29.262,41.75 28.6,41.75 28.475,41.875 28.025,41.875
TX_P: IC1.12 J6.1 R15.1 | length 33.8
  Top Layer w0.15: J6.1@12.2,43.76 12.2,44.56 cw(c12.565,44.56) 12.565,44.925 14.325,44.925 cw(c14.325,44.675) 14.575,44.675 14.575,44.05 ccw(c14.825,44.05) 14.825,43.8 ccw(c14.825,44.05) 15.075,44.05 15.075,44.675 cw(c15.325,44.675) 15.325,44.925 cw(c15.325,44.675) 15.575,44.675 15.575,44.05 ccw(c15.825,44.05) 15.825,43.8 ccw(c15.825,44.05) 16.075,44.05 16.075,44.675 cw(c16.325,44.675) 16.325,44.925 cw(c16.325,44.675) 16.575,44.675 16.575,44.05 ccw(c16.825,44.05) 16.825,43.8 ccw(c16.825,44.05) 17.075,44.05 17.075,44.675 cw(c17.325,44.675) 17.325,44.925 cw(c17.325,44.675) 17.575,44.675 17.575,44.5 ccw(c17.825,44.5) 17.825,44.25 ccw(c17.825,44.5) 18.075,44.5 18.075,44.675 cw(c18.325,44.675) 18.325,44.925 24.48,44.925 cw(c24.48,43.605) 25.8,43.605 25.8,42.2 ccw(c26.9,42.2) 26.9,41.1 28.475,41.1 28.625,41.25 IC1.12@29.262,41.25 ; J6.1@13.05,43.76 cw(c13.09,43.76) J6.1@13.09,43.8 ; v1(18,43.375) 18.625,44 R15.1@19.1,44
  Bottom Layer w0.15: J6.1@13.05,43.76 17.615,43.76 v1(18,43.375)
USB_C\T\S\: U1.8 U2.V2 | length 78.4
  Top Layer w0.15: U1.8@15.55,19.15 15.55,19.75 16.6,20.8 33.285,20.8 55.493,43.007 ; 55.5,43 83,43 U2.V2@83.5,43.5
USB_R\T\S\: U1.32 U2.Y1 | length 72.6
  Top Layer w0.15: U1.32@19.85,18.35 20.45,18.35 20.9,17.9 32.4,17.9 56,41.5 U2.Y1@82.5,41.5
USB_RXD: U1.2 U2.W1 | length 74
  Top Layer w0.15: U1.2@18.55,19.15 18.55,19.251 18.599,19.3 18.599,19.909 18.99,20.3 33.8,20.3 56,42.5 U2.W1@82.5,42.5
USB_TXD: U1.30 U2.Y2 | length 73.7
  Top Layer w0.15: U1.30@19.85,17.35 32.85,17.35 56.5,41 83,41 U2.Y2@83.5,41.5
USBD_N: J5.A7 J5.B7 U1.15 | length 13.4
  Top Layer w0.15: J5.A7@7.15,12.625 7.15,13.875 cw(c8.65,13.875) 8.65,15.375 U1.15@14.75,15.375
  Internal SIG1 w0.15: J5.B7@5.1,11.8 J5.B7@5.1,11.9 5.6,11.4 7.15,11.4 7.35,11.6 J5.A7@7.35,12.68
USBD_P: J5.A6 J5.B6 U1.14 | length 11.4
  Top Layer w0.15: J5.B6@6.1,11.9 J5.B6@6,11.9 J5.A6@6.45,12.68 ; J5.A6@6.7,12.625 6.7,13.875 cw(c8.65,13.875) 8.65,15.825 U1.14@14.75,15.825
VDD1V8: C20.2 IC1.31 R25.1 | length 12.4
  Top Layer w0.35: R25.1@36.5,52.2 C20.2@37.9,52.2 38.7,52.2 38.9,52 38.9,49.4 36.4,46.9 36.4,44.65 36.8,44.25 IC1.31@37.738,44.25
VDD1V8_OUT: C18.2 C19.2 IC1.6 R22.2 R25.2 | length 16.1
  Top Layer w0.35: IC1.6@29.262,44.25 30.3,44.25 30.75,44.7 30.75,46.75 30,47.5 30,49.2 30.5,49.7 33.3,49.7 33.5,49.9 C18.2@33.5,50.6 ; R22.2@31.9,50.6 C18.2@33.3,50.6 ; R25.2@36.5,50.6 C19.2@35.1,50.6 C18.2@33.5,50.6 ; C18.2@33.3,50.6 C18.2@33.5,50.6 ; C18.2@33.3,50.6 33.4,50.7 C18.2@33.5,50.8 C18.2@33.5,50.6
VDDA1V8: C10.2 C11.2 IC1.4 IC1.5 R22.1 | length 13.2
  Top Layer w0.35: IC1.5@29.262,44.75 IC1.4@29.262,45.25 28.3,45.25 27.7,45.85 27.7,51.9 28,52.2 28.8,52.2 29.4,52.8 C10.2@30.3,52.8 31.3,52.8 R22.1@31.9,52.2
VDDA3V3: C14.2 C15.2 C16.2 C17.2 IC1.7 IC1.8 R11.2 R12.2 R14.2 R24.1 | length 33.7
  Top Layer w0.35: R14.2@20.7,38.4 C16.2@21.9,38.4 C17.2@21.9,37 21.9,36.1 22.5,35.5 25,35.5 ; R12.2@23.5,39.8 25,39.8 ; R11.2@23.5,44 24.45,44 25,43.45 25,39.8 ; IC1.8@29.262,43.25 30.7,43.25 ; IC1.7@29.262,43.75 30.412,43.75 30.7,43.462 30.7,43.25 ; 25,35.5 25,39.8 ; 25,35.5 28,35.5 28.3,35.8 R24.1@28.3,36.6 C14.2@28.3,38.2 C15.2@28.3,39.8 29.3,39.8 30.7,41.2 30.7,43.25
pads on no net: IC1.14 IC1.44 IC1.45 IC1.46 IC1.48 J1.0 J1.a1 J1.a13 J1.a14 J1.a15 J1.a16 J1.a17 J1.a18 J1.a20 J1.a21 J1.a22 J1.a23 J1.a24 J1.a25 J1.b1 J1.b14 J1.b15 J1.b16 J1.b17 J1.b18 J1.b20 J1.b24 J2.0 J2.a1 J2.a5 J2.a12 J2.a15 J2.a17 J2.b1 J2.b5 J2.b12 J2.b14 J2.b15 J2.b17 J2.b25 J4.0 J6.0 J10.0 J10.a1 J10.a13 J10.a14 J10.a15 J10.a16 J10.a17 J10.a18 J10.a20 J10.a21 J10.a22 J10.a23 J10.a24 J10.a25 J10.b1 J10.b14 J10.b15 J10.b16 J10.b17 J10.b18 J10.b20 J10.b24 J11.0 J11.a1 J11.a5 J11.a12 J11.a15 J11.a17 J11.b1 J11.b5 J11.b12 J11.b14 J11.b15 J11.b17 J11.b25 S3.0 S4.0 S5.0 U1.3 U1.5 U1.6 U1.7 U1.9 U1.10 U1.11 U1.12 U1.13 U1.18 U1.23 U1.25 U1.27 U1.28 U1.29 U1.31 U2.AA2 U2.AA12 U2.AA18 U2.AB2 U2.AB3 U2.AB5 U2.AB12 U2.AB13 U2.C5 U2.C11 U2.C12 U2.D2 U2.D9 U2.D10 U2.D11 U2.D12 U2.D13 U2.D15 U2.E1 U2.E3 U2.E6 U2.E8 U2.E10 U2.E12 U2.E14 U2.E16 U2.F1 U2.F2 U2.F5 U2.F7 U2.F8 U2.F9 U2.F10 U2.F12 U2.F13 U2.F16 U2.F19 U2.G1 U2.G4 U2.G6 U2.G7 U2.G8 U2.G9 U2.G11 U2.G13 U2.G19 U2.H1 U2.H2 U2.H4 U2.H5 U2.H6 U2.H8 U2.H10 U2.H11 U2.H12 U2.H17 U2.H18 U2.H19 U2.J4 U2.J6 U2.J7 U2.J16 U2.J17 U2.J19 U2.K4 U2.K5 U2.K6 U2.K7 U2.K8 U2.K16 U2.K18 U2.L4 U2.L6 U2.L15 U2.L17 U2.M4 U2.M5 U2.M6 U2.M7 U2.M8 U2.M17 U2.N4 U2.N6 U2.N7 U2.N20 U2.N22 U2.P2 U2.P5 U2.P7 U2.P8 U2.P18 U2.P21 U2.R7 U2.R8 U2.R9 U2.R11 U2.R13 U2.R15 U2.R16 U2.T5 U2.T7 U2.T8 U2.T10 U2.T11 U2.T12 U2.T14 U2.T15 U2.T16 U2.T17 U2.T18 U2.T20 U2.U6 U2.U8 U2.U9 U2.U10 U2.U12 U2.U13 U2.U14 U2.U16 U2.U17 U2.V5 U2.V7 U2.V9 U2.V11 U2.V13 U2.V15 U2.V17 U2.V18 U2.V19 U2.W4 U2.W6 U2.W8 U2.W9 U2.W10 U2.W11 U2.W12 U2.W13 U2.W14 U2.W15 U2.W17 U2.W18 U2.Y3 U2.Y4 U2.Y5 U2.Y6 U2.Y7 U2.Y8 U2.Y9 U2.Y10 U2.Y11 U2.Y12 U2.Y13 U2.Y14 U2.Y15 U2.Y16 U2.Y17 U2.Y18 U2.Y19 U2.Y20 U2.Y21
copper on no net:
  other v1: 77.76,5.25 93,5.25 94.27,5.25 95.54,5.25 96.81,5.25 98.08,5.25 99.35,5.25 101.89,5.25 103.16,5.25 104.43,5.25 105.7,5.25 106.97,5.25 108.24,5.25 77.76,10.75 94.27,10.75 95.54,10.75 96.81,10.75 98.08,10.75 99.35,10.75 101.89,10.75 106.97,10.75 77.76,89.25 82.84,89.25 91.73,89.25 95.54,89.25 98.08,89.25 77.76,94.75 82.84,94.75 91.73,94.75 94.27,94.75 95.54,94.75 98.08,94.75 108.24,94.75

## Polygon pours and split planes (outlines as drawn)
+3V3_D on Top Layer "Top Layer-+3V3_D" (solid, pour order 28): 27,37.3 25.4,37.3 25.4,35.9 27,35.9
GND_D on Top Layer "Top Layer-GND_D 1" (solid, pour order 26): 65,7.7 65,5.5 69,5.5 69,7.7
GND_D on Top Layer "Top Layer-GND_D 2" (solid, pour order 24): 60.4,10.2 60.4,9 63,9 63,14.3 58,14.3 58,12.5 59.8,12.5 59.8,13.6 61.4,13.6 61.4,10.2
NetC26_2 on Top Layer "Top Layer-NetC26_2" (solid, pour order 22): 61.2,10.86 57.5,10.86 52.5,10.86 52.5,12.3 52.5,18.7 48.5,18.7 48.5,21.3 55.5,21.3 55.5,12.3 60.2,12.3 60.2,11.2 60.3,11.2 61.2,11.2
NetIC4_3 on Top Layer "Top Layer-NetIC4_3" (solid, pour order 18): 61.2,10.7 57.9,10.7 57.9,3.2 60.7,3.2 60.7,8.8 60.2,8.8 60.2,10.3 61.2,10.3
NetC27_2 on Top Layer "Top Layer-NetC27_2" (solid, pour order 16): 63.2,9.7 63.2,8.8 61.4,8.8 61.4,3.16 64.7,3.16 64.7,8.1 69.6,8.1 69.6,9.7 64.7,9.7
NetIC3_4 on Top Layer "Top Layer-NetIC3_4" (solid, pour order 14): 25.3,5.9 25.3,3 32.3,3 32.3,5.9
NetC24_2 on Top Layer "Top Layer-NetC24_2" (solid, pour order 12): 25.3,6.9 25.3,10.1 32.3,10.1 32.3,6.9
GND_D on Top Layer "Top Layer-GND_D 3" (solid, pour order 10): 25.1,10.7 25.1,6.1 22.4,6.1 22.4,4 20.6,4 20.6,6.9 24.2,6.9 24.2,8.3 23.1,8.3 23.1,10.7
+5V_USB on Top Layer "Top Layer-+5V_USB" (solid, pour order 8): 12.5,8 12.5,11.5 13.5,11.5 13.5,12.3 17.1,12.3 17.1,11.1 14.5,11.1 14.5,9.1 22.7,9.1 22.7,8.1 24,8.1 24,7.2 19.8,7.2 19,8 14.5,8
NetC22_2 on Top Layer "Top Layer-NetC22_2" (solid, pour order 6): 146,15.2 146,18.2 143.6,18.2 143.6,15.2
GND_D on Top Layer "Top Layer-GND_D" (solid, pour order 4): 142.1,15 142.1,14.3 156,14.3 155.99,14.31 155.99,17 148.3,17 148.3,18.2 146.2,18.2 146.2,15
NetIC2_1 on Top Layer "Top Layer-NetIC2_1" (solid, pour order 2): 143.2,15.2 136.3,15.2 136.3,18 141.7,18 141.7,16.5 143.2,16.5
+3V3_BACKPLANE on Top Layer "Top Layer-+3V3_BACKPLANE" (solid, pour order 0): 156,9.48 155.98,9.5 153.7,9.5 153.7,11.5 136.3,11.5 136.3,14.1 156,14.1
GND_D on GND (split plane): 159.49,0.51 0.51,0.51 0.51,99.49 159.49,99.49
+3V3_D on Power (split plane): 159.49,0.51 0.51,0.51 0.51,99.49 159.49,99.49
+1.2V_CORE on Power (split plane): 96.373,45.627 94.627,45.627 94.627,46.5 94.618,46.549 94.59,46.59 94.549,46.618 94.5,46.627 89.627,46.627 89.627,48.5 89.618,48.549 89.59,48.59 89.549,48.618 89.5,48.627 78.9,48.627 78.851,48.618 78.81,48.59 73.41,43.19 73.382,43.149 73.373,43.1 73.373,13.5 73.373,9.48 73.373,3.127 68.627,3.127 68.627,15.5 68.627,50.373 89.5,50.373 89.549,50.382 89.59,50.41 89.618,50.451 89.627,50.5 89.627,52.5 89.618,52.549 89.59,52.59 89.549,52.618 89.5,52.627 88.627,52.627 88.627,53.373 96.373,53.373

## Other copper
Power (plane layer: these items are gaps in the copper):
  lines w0.25: 68.5,9.48 68.5,50.5 89.5,50.5 89.5,52.5 88.5,52.5 88.5,53.5 96.5,53.5 96.5,45.5 94.5,45.5 94.5,46.5 89.5,46.5 89.5,48.5 78.9,48.5 73.5,43.1 73.5,9.48 ; 68.5,15.5 68.5,3 73.5,3 73.5,13.5

## Silkscreen, mask and mechanical layers (free items; w line width, h text height)
Top Overlay:
  circle w0.254: c16,5 r2.857
  circle w0.254: c3.5,94.5 r2.857
  circle w0.254: c3.5,5.5 r2.857
  region: 37.5,18.46 37.5,16.46 35.5,17.46
  region: 53.5,23.5 53.5,21.5 55.5,22.5
  region: 53.5,23.5
  lines w0.2: 154.7,2.8 153.9,2 58,2 6.5,2 6.5,9.3 1.6,9.3 1.6,90.7 6.5,90.7 6.5,98 154,98 154.8,97.2
  lines w0.5: 53.1,4.5 54.1,4.7 ; 54.1,7 54.1,4.7 ; 55.1,4.9 54.1,4.7 ; 144,3 145,3.2 ; 145,5.5 145,3.2 ; 146,3.4 145,3.2
  lines w1: 37,17.46 50,17.46 ; 41,22.5 54,22.5
  text "FPGA DONE" at 32.75,92 h1.5
  text "SOFT RESET" at 32.75,81 h1.5
  text "HARD RESET" at 32.75,71 h1.5
  text "USER SWITCH" at 32.75,59 h1.5
  text "3V3" at 41.7,24.6 h1.5 r90
  text "5V" at 46.2,24.6 h1.5 r90
  text "CORE" at 50.8,24.6 h1.5 r90
  text "JP1" at 78.3,21.8 h1.5
  text "From / Backplane" at 55.8,21.3 h1.5
  text "JP2" at 78.3,19.3 h1.5
  text "JP3" at 78.3,16.8 h1.5
  text "From / USB" at 29.7,16.5 h1.5
  text "JP4" at 78.3,14.3 h1.5
  text "POETIC FPGA" at 113.4,8.8 h3
  text "05.07.2021" at 113.4,6.7 h3
  text "SCH: TD Nanchen Jean" at 113.4,4.6 h3
  text "1V2" at 65.2,3.7 h1.5
  text "PCB: GAS" at 113.4,2.5 h3
Mechanical 1:
  the board outline again, w0.15

## Text inside footprints (layer, text, board x,y; h text height)
S6: Top Overlay "ON" at 37.2,65.8 h1